# Altium PCB datalogger.PcbDoc
Units mil, origin at the board's own origin, x right, y up, seen from the top; angles counter-clockwise.
Board outline 2100 x 2000 mil, 2 copper layers (Top Layer, Bottom Layer), stack 65.792 mil thick; 39 components, 29 nets, 161 pads, 44 vias.
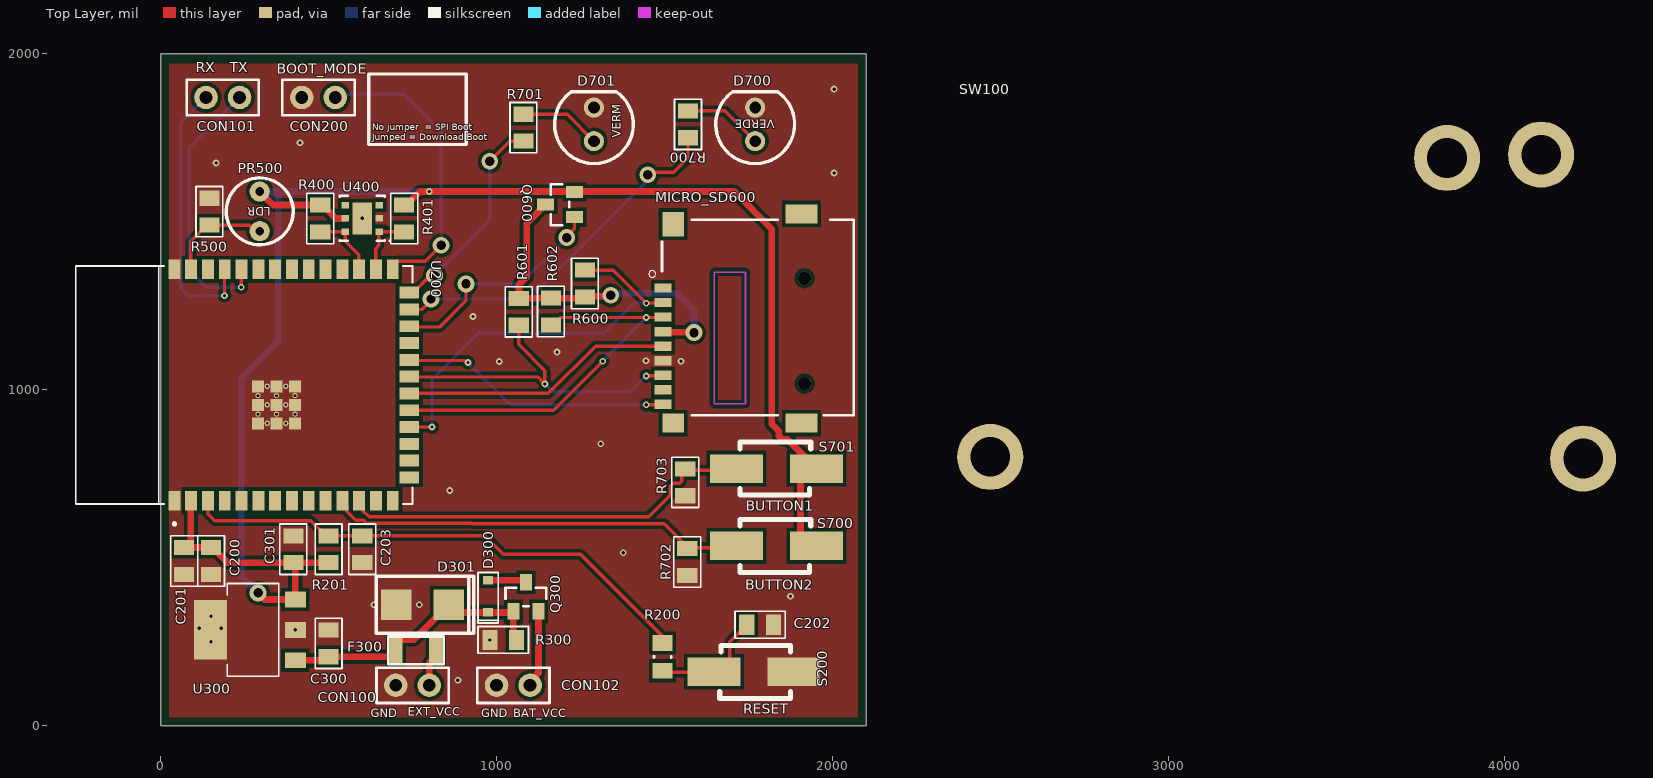
[diagram p0: Top Layer view]
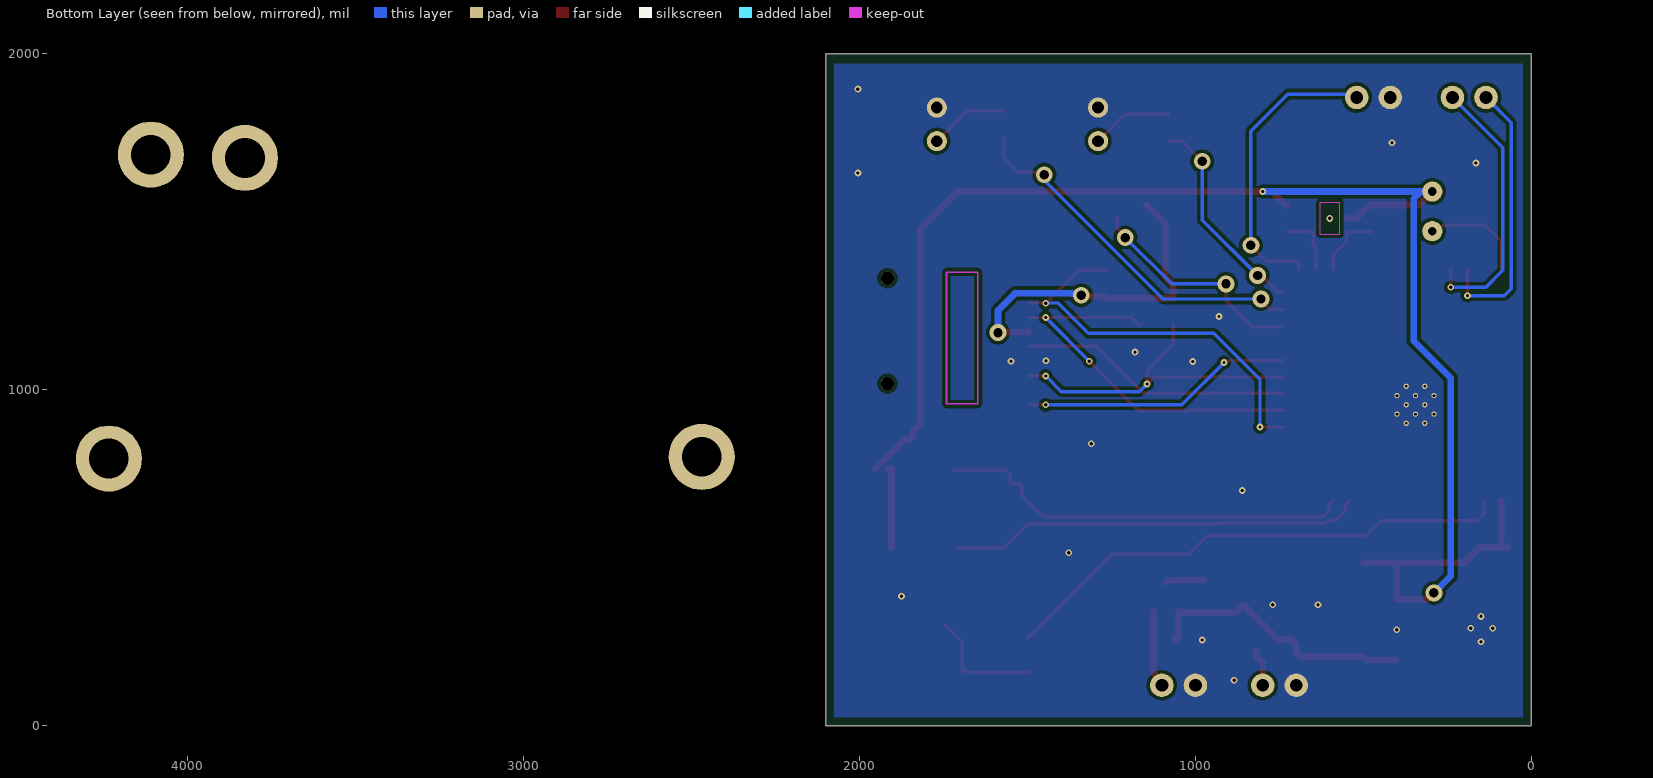
[diagram p1: Bottom Layer view, seen from below]
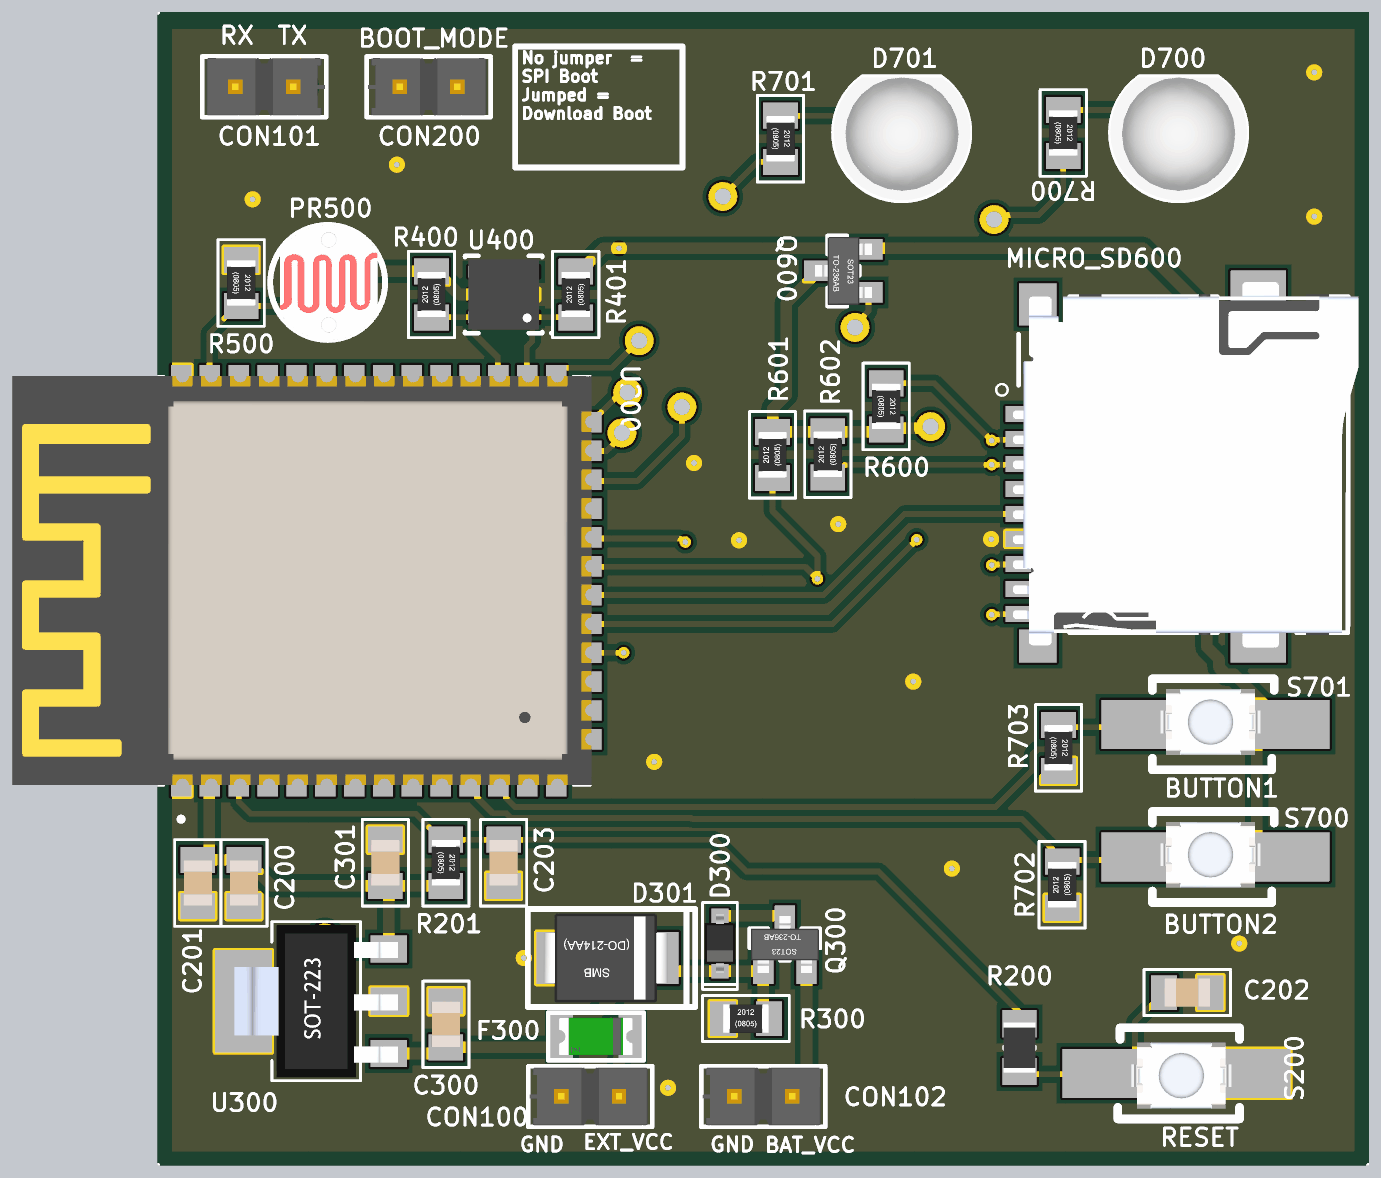
[diagram p2: 3D render of the assembled board from above, using the file's embedded part models]

## Layer stack, top to bottom
Top Solder: solder mask 0.4, Solder Resist, Dk 3.5
Top Layer: signal copper 1.4
Dielectric 1: dielectric 62.9921, FR-4, Dk 4.8
Bottom Layer: signal copper 1.4
Bottom Solder: solder mask 0.4, Solder Resist, Dk 3.5

## Board outline
0,0 0,2000 2100,2000 2100,0

## Design rules (kind name [scope] priority, off if disabled: settings)
Clearance array_celarence [InNetClass('SD_CLASS') OR InComponent('AR600')] p1: gap=1 ignorepadtopadclearanceinfootprint=TRUE except(5: Track-SMDPad; 10: Arc-Poly Track-Poly SMDPad-Poly THPad-Poly Via-Poly Fill-Poly Poly-Poly)
Clearance microsd_celarence [InComponent('SKT600')] p2: gap=5 ignorepadtopadclearanceinfootprint=TRUE except(0: SMDPad-Region; 10: Arc-Poly Track-Poly SMDPad-Poly THPad-Poly Via-Poly Fill-Poly Poly-Poly)
Clearance [All] p3: gap=10 ignorepadtopadclearanceinfootprint=TRUE except(9: Arc-Arc Arc-Track Track-Track)
ComponentClearance ComponentClearance_1 [HasFootprint('MOLX-5033981892_V') vs HasFootprint('SWITCH_TACTILE_SMD_2PIN')] p1: gap=1 collisioncheckmode=3 verticalgap=1 showdistances=TRUE checkcomponentboundary=TRUE
ComponentClearance [All] p2: gap=10 collisioncheckmode=3 verticalgap=10 showdistances=FALSE
HoleSize [All] p1: absolutevalues=TRUE maxlimit=200 minlimit=1 maxpercent=80.000 minpercent=20.000
MinimumSolderMaskSliver microsd_minimum_solder [InComponent('SKT600')] p1: minsoldermaskwidth=2
MinimumSolderMaskSliver esp_minimum_solder [InComponent('U200')] p2: minsoldermaskwidth=2
MinimumSolderMaskSliver [All] p3: minsoldermaskwidth=2
PlaneClearance [All] p1: clearance=30
PolygonConnect [All] p1: connectstyle=Direct reliefconductorwidth=10 reliefentries=4 polygonreliefangle="90 Angle" airgapwidth=10
RoutingVias [All] p1: holewidth=28 width=50 viastyle="Through Hole" minholewidth=28 minwidth=50 maxholewidth=28 maxwidth=50
ShortCircuit ShortCircuit_1 [InComponent('U400')] p1: allowed=TRUE
ShortCircuit [All] p2: allowed=FALSE
SilkToSilkClearance [All] p1: silktosilkclearance=1
SilkToSolderMaskClearance [IsPad] p1: minsilkscreentomaskgap=0 clearancetoexposedcopper=TRUE
SolderMaskExpansion [All] p1: expansion=4 istentingtop=FALSE
UnRoutedNet case_pilhas [InComponent('SW100')] p1:
UnRoutedNet [All] p2:
Width Width_PWR [InNetClass('PWR_CLASS')] p1: maxlimit=30 minlimit=10 preferedwidth=20 minimp=50.000000 maximp=50.000000 favimp=50.000000
Width [All] p2: maxlimit=20 minlimit=5 preferedwidth=10
22 further rules are at their usual default settings.

## Classes and differential pairs
component class Designator: D700 D701 R700 R701 R702 R703 S700 S701
component class temp_sensor: R400 R401 U400
component class micro_sd: MICRO_SD600 R600 R601 R602
component class ldr_sensor: PR500 R500
component class ESP32: C200 C201 C202 C203 C204 C205 CON200 R200 R201 S200 U200 X200
component class power_supply: C300 C301 D300 D301 F300 Q300 R300 U300
component class datalogger: CON100 CON101 CON102 SW100

## Components (designator, comment, footprint, x,y, rotation, side; value= is the part's Value field where it differs from the comment)
C200 "CAP CER 0.1uF 50V 10% X7R 0805 SMD" CC2012-0805 150,530 r270 top
C201 "Capacitor 22µF +/-40% 16V 0805" CC2012-0805 70,450 r90 top value=22µF
C202 "100nF 25V" CC2012-0805 1825,300 r180 top
C203 "100nF 25V" CC2012-0805 600,485 r90 top
C300 "4.7UF 16V" CC2012-0805 500,285 r270 top
C301 "4.7UF 16V" CC2012-0805 395,565 r270 top
CON100 "PIN HEADER 2POS" FP-TSW-102-07-G-S-MFG 750,120 r0 top
CON101 "PIN HEADER 2POS" FP-TSW-102-07-G-S-MFG 185,1870 r180 top
CON102 "PIN HEADER 2POS" FP-TSW-102-07-G-S-MFG 1050,120 r0 top
CON200 "PIN HEADER 2POS" FP-TSW-102-07-G-S-MFG 470,1870 r0 top
D300 "SCHOTTKY 20V 1A" SOD-323 975,385 r90 top
D301 "TVS 5VWM 9.2VC" DO-214AA(SMB) 780,360 r180 top
D700 "LED GRN DIFF 5MM ROUND T/H" LED-5mm-VERDE 1770,1740 r180 top
D701 "LED RED DIFF 5MM ROUND T/H" LED-5mm-VERMELHO 1290,1740 r180 top
F300 "16VDC 0.75A" FP-0ZCJ0035FF2G-MFG 759.94,224 r180 top
MICRO_SD600 "TF-01A" TF-01A 1778,1215 r90 top
PR500 "LDR GL5506(4-7K) SMD" "LDR 3X0.5" 295,1530.94 r180 top
Q300 "IC MOSFET P_CHANNEL 20V 6A" SOT-23 1087.6,383.31 r0 top
Q600 "IC MOSFET P_CHANNEL 20V 6A" SOT-23 1189,1551 r90 top
R200 "Resistor 0R +/- 1% 0805 125 mW" RESC2013X50X35ML15T15 1494.19,204.49 r90 top value=0
R201 "RES 10K OHM 1% 1/8W 0805 SMD" CR2012-0805 500,525 r270 top
R300 "10K 1/8W" CR2012-0805 1020,255 r0 top
R400 "RES 10K5 OHM 0.1% 1/8W 0805 SMD" CR2012-0805 475,1510 r90 top
R401 "RES 10K5 OHM 0.1% 1/8W 0805 SMD" CR2012-0805 725,1510 r90 top
R500 "RES 10K OHM 1% 1/8W 0805 SMD" CR2012-0805 145,1530 r270 top
R600 "10K" CR2012-0805 1263,1316 r270 top
R601 "10K" CR2012-0805 1066,1232 r90 top
R602 "10K" CR2012-0805 1162,1233 r90 top
R700 "RES 220R OHM 5% 1/8W 0805 SMD" CR2012-0805 1570,1790 r270 top
R701 "RES 220R OHM 5% 1/8W 0805 SMD" CR2012-0805 1080,1780 r270 top
R702 "RES 1K OHM 1% 1/8W 0805 SMD" CR2012-0805 1568,487 r90 top
R703 "RES 1K OHM 1% 1/8W 0805 SMD" CR2012-0805 1561.81,724.19 r270 top
S200 "SWITCH TACTILE SPST-NO 0.05A 12V SMD" SWITCH_TACTILE_SMD_2PIN 1885,160 r180 top
S700 "SWITCH" SWITCH_TACTILE_SMD_2PIN 1715,535 r0 top
S701 "SWITCH" SWITCH_TACTILE_SMD_2PIN 1715,765 r0 top
SW100 "4AA_Battery_Holder" 4AAA_BATTERY_HOLDER 3600,800 r90 top
U200 "IC ESP32 S3R2 WROOM-1 FLASH 8MB" ESP32_S3_WROOM_1 372.44,1010 r90 top
U300 "IC REG LDO 3V3 1A" SOT-223 275,285 r90 top
U400 "IC HDC1080" PSON100P300X80_HS-7N 600,1510 r180 top

## Footprints (in the part's own frame and the unit in brackets; to place one, negate y for a bottom-side part, rotate by r counter-clockwise, add the part's x,y. Pads: shape width x height; smd on the part's side, far side on the other; paste and mask are expansions set on the pad)
4AAA_BATTERY_HOLDER [mm]
  round 5 hole 3: 1(22.606,-5.842) 2(22.86,-12.954) ""(-0.127,-16.129) ""(0,28.702)
  body extent -28.7,-31.78 38.3,31.22, height 16
CC2012-0805 [mil] "Chip Capacitor"
  rect 45x60 smd: 1(0,0) 2(80,0)
  silkscreen extent -35,-40 115,40, body extent 1,-25 79,25, height 24
CR2012-0805 [mil] "Chip Capacitor"
  rect 45x60 smd: 1(-40,0) 2(40,0)
  silkscreen extent -75,-40 75,40, body extent -39,-25 39,25, height 18
DO-214AA(SMB) [mm]
  rect 2.3x2.3 smd: 1(-1.981,0) 2(1.981,0)
  silkscreen extent -3.86,-2.16 3.51,2.16, body extent -2.67,-1.95 2.83,1.95, height 2.45
ESP32_S3_WROOM_1 [mm] "Footprint for ESP32-S3-WROOM-1 module"
  rect 1.5x0.9 smd: 1(-8.65,8.42) 2(-8.65,7.15) 3(-8.65,5.88) 4(-8.65,4.61) 5(-8.65,3.34) 6(-8.65,2.07) 7(-8.65,0.8) 8(-8.65,-0.47) 9(-8.65,-1.74) 10(-8.65,-3.01) 11(-8.65,-4.28) 12(-8.65,-5.55) 13(-8.65,-6.82) 14(-8.65,-8.09) 27(8.85,-8.09) 28(8.85,-6.82) 29(8.85,-5.55) 30(8.85,-4.28) 31(8.85,-3.01) 32(8.85,-1.74) 33(8.85,-0.47) 34(8.85,0.8) 35(8.85,2.07) 36(8.85,3.34) 37(8.85,4.61) 38(8.85,5.88) 39(8.85,7.15) 40(8.85,8.42)
  rect 0.9x1.5 smd: 15(-6.885,-9.34) 16(-5.615,-9.34) 17(-4.345,-9.34) 18(-3.075,-9.34) 19(-1.805,-9.34) 20(-0.535,-9.34) 21(0.735,-9.34) 22(2.005,-9.34) 23(3.275,-9.34) 24(4.545,-9.34) 25(5.815,-9.34) 26(7.085,-9.34)
  rect 0.9x0.9 smd: 41[1...9](-2.8,-0.7) 41[1...9](-2.8,0.7) 41[1...9](-2.8,2.1) 41[1...9](-1.4,2.1) 41[1...9](-1.4,-0.7) 41[1...9](-1.4,0.7) 41[1...9](0,2.1) 41[1...9](0,0.7) 41[1...9](0,-0.7)
  round 0.4 hole 0.2 mask+0: 41[1...9](-2.8,0) 41[1...9](-2.8,1.4) 41[1...9](-2.1,-0.7) 41[1...9](-2.1,0.7) 41[1...9](-2.1,2.1) 41[1...9](-1.4,0) 41[1...9](-1.4,1.4) 41[1...9](-0.7,2.1) 41[1...9](-0.7,-0.7) 41[1...9](-0.7,0.7) 41[1...9](0,1.4) 41[1...9](0,0)
  silkscreen extent -10.5,-9.59 9.1,15.88, body extent -8.89,-9.65 9.11,15.85, height 3.1
FP-0ZCJ0035FF2G-MFG [mil]
  rect 39x74.5 smd paste+0 mask+0: 1(-59.06,0)
  rect 39x74 smd paste+0 mask+0: 2(59.06,0)
  silkscreen extent -83,-41 83,41, body extent -83,-41 83,41, height 10
FP-TSW-102-07-G-S-MFG [mil]
  round 70 hole 38 paste-39370.1 mask+0: 1(-50,0) 2(50,0)
  silkscreen extent -107,-53 107,53, body extent -111,-56 111,56, height 10
"LDR 3X0.5" [mil]
  round 60 hole 25.98: 1(0,-59.06) 2(0,59.06)
  silkscreen extent -100,-100 100,100, body extent -87,-100 83,100, height 358
LED-5mm-VERDE [mil]
  round 60 hole 35: A(0,0) K(0,-100)
  silkscreen extent -117,-147 117,67, body extent -118,-147 119,67, height 485
LED-5mm-VERMELHO [mil]
  round 60 hole 35: A(0,0) K(0,-100)
  silkscreen extent -117,-147 117,67, body extent -119,-147 118,67, height 485
PSON100P300X80_HS-7N [mm] "PSON, 6-Leads, Body 3,00x3,00mm, Pitch 1,00mm, Thermal Pad 2,40x1,50mm, IPC Medium Density"
  rect 0.55x0.5 smd: 1(-1.285,1) 2(-1.285,0) 3(-1.285,-1) 4(1.285,-1) 5(1.285,0) 6(1.285,1)
  rect 1.5x2.4 smd: 7(0,0)
  silkscreen extent -2.15,-1.7 1.7,1.75, body extent -1.55,-1.55 1.55,1.55, height 0.8
RESC2013X50X35ML15T15 [mm] "Chip Resistor, 2-Leads, Body 2.2x1.4mm, IPC Low Density"
  rect 1.2x1.5 smd: 1(-1.05,0) 2(1.05,0)
  silkscreen extent -0.05,-0.65 0.05,0.65, body extent -1.1,-0.7 1.1,0.7, height 0.5
SOD-323 [mil]
  rect 25x30 smd: A(48,0) K(-48,0)
  silkscreen extent -79,-30 71,30, body extent -51,-27 51,27, height 44
SOT-23 [mm]
  rect 0.9x1.26 smd: 1(-0.95,-1.1) 2(0.95,-1.1) 3(0,1.1)
  silkscreen extent -1.55,-0.7 1.54,0.7, body extent -1.5,-1.25 1.5,1.25, height 1.09
SOT-223 [mm]
  rect 1.2x1.6 smd: 1(-2.3,-3.2) 2(0,-3.2) 3(2.3,-3.2)
  rect 4.5x2.5 smd: 2(0,3.2)
  silkscreen extent -3.5,-1.95 3.5,1.95, body extent -3.35,-3.6 3.35,3.6, height 1.9
SWITCH_TACTILE_SMD_2PIN [mm]
  rect 4x2.16 smd: 1(0,0) 2(6.04,0)
  silkscreen extent 0.24,-2.01 5.6,2.01, body extent 0.6,-1.35 5,1.55, height 2.5
TF-01A [mm]
  rect 0.7x1.3 smd: 1(2.23,7.174) 2(1.13,7.174) 3(0.03,7.174) 4(-1.07,7.174) 5(-2.17,7.174) 6(-3.27,7.174) 7(-4.37,7.174) 8(-5.47,7.174) CD1(-6.57,7.174)
  rect 1.448x1.651 smd: MP1(-7.989,6.4)
  rect 1.448x2.438 smd: MP2(-7.989,-3.3) MP3(7.836,-3.3)
  rect 1.854x1.651 smd: MP4(7.061,6.4)
  round 1 hole 1 unplated: ""(-5.004,-3.531) ""(2.972,-3.531)
  Keep-Out Layer lines w0.127: -6.528,3.302 -6.528,0.94 3.429,0.94 3.429,3.302 -6.528,3.302
  silkscreen extent -7.4,-7.26 7.4,8.24, body extent -8.05,-7.71 8.05,7.49, height 2

## Part data
C200: library part CMP-004-000050-5, "CAP CER 0.1UF 50V 10% X7R 0805", Capacitance=100nF, Case Code (Imperial)=0805, Case Code (Metric)=2012, Dielectric=X7R, Dielectric Material=Ceramic, Insulation Resistance=100GR, Manufacturer="Kyocera AVX", Manufacturer Part Number=08055C104KAT2A, Max Operating Temperature=125°C, Min Operating Temperature=-55°C, Package Quantity=1, Tolerance=10%, Voltage=50V, Case/Package=0805, Category="Ceramic Capacitors", ComponentLink1Description=http://datasheets.avx.com/X7RDielectric.pdf, ComponentLink1URL=http://datasheets.avx.com/X7RDielectric.pdf, ComponentLink2Description=https://datasheet.ciiva.com/19475/2009691-19475858.pdf?src-supplier=Jameco, ComponentLink2URL=https://datasheet.ciiva.com/19475/2009691-19475858.pdf?src-supplier=Jameco, ComponentLink3Description=https://datasheet.ciiva.com/11786/0900766b802d4698-11786116.pdf?src-supplier=RSComponents, ComponentLink3URL=https://datasheet.ciiva.com/11786/0900766b802d4698-11786116.pdf?src-supplier=RSComponents, ComponentLink4Description=https://datasheet.ciiva.com/150/cx7r-150257.pdf?src-supplier=Digi-Key, ComponentLink4URL=https://datasheet.ciiva.com/150/cx7r-150257.pdf?src-supplier=Digi-Key, ComponentLink5Description=https://datasheet.ciiva.com/150/cx7r-150258.pdf?src-supplier=Digi-Key, ComponentLink5URL=https://datasheet.ciiva.com/150/cx7r-150258.pdf?src-supplier=Digi-Key, ComponentLink6Description=https://datasheet.ciiva.com/150/cx7r-150259.pdf?src-supplier=Digi-Key, ComponentLink6URL=https://datasheet.ciiva.com/150/cx7r-150259.pdf?src-supplier=Digi-Key, ComponentLink7Description=https://datasheet.ciiva.com/16199/cx7r-16199014.pdf?src-supplier=Future+Electronics, ComponentLink7URL=https://datasheet.ciiva.com/16199/cx7r-16199014.pdf?src-supplier=Future+Electronics, ComponentLink8Description=https://datasheet.ciiva.com/16536/cx7r-16536873.pdf?src-supplier=Avnet+Asia, ComponentLink8URL=https://datasheet.ciiva.com/16536/cx7r-16536873.pdf?src-supplier=Avnet+Asia, ComponentLink9Description=https://datasheet.ciiva.com/16536/cx7r-16536875.pdf?src-supplier=Avnet+Asia, ComponentLink9URL=https://datasheet.ciiva.com/16536/cx7r-16536875.pdf?src-supplier=Avnet+Asia, ComponentLink10Description=https://datasheet.ciiva.com/11504/cx7r-11504044.pdf?src-supplier=Avnet, ComponentLink10URL=https://datasheet.ciiva.com/11504/cx7r-11504044.pdf?src-supplier=Avnet, ComponentLink11Description=https://datasheet.ciiva.com/2988/cx7r-2988014.pdf?src-supplier=Avnet, ComponentLink11URL=https://datasheet.ciiva.com/2988/cx7r-2988014.pdf?src-supplier=Avnet, ComponentLink12Description=https://datasheet.ciiva.com/5416/cx7r-5416959.pdf?src-supplier=Mouser, ComponentLink12URL=https://datasheet.ciiva.com/5416/cx7r-5416959.pdf?src-supplier=Mouser, ComponentLink13Description=https://datasheet.ciiva.com/7812/cx7r-7812079.pdf?src-supplier=Element14, ComponentLink13URL=https://datasheet.ciiva.com/7812/cx7r-7812079.pdf?src-supplier=Element14, Depth=1.25mm, Design Item ID="CAP CER 0.1uF 50V 10% X7R 0805 SMD", Dissipation Factor=2.5%, Height=0.94mm, Lead Free="Lead Free", Length=2.01mm, Mount="Surface Mount,PCB", Number of Pins=2, Packaging="Tape and Reel", Pricing 1="1=0,12500, 25=0,10300, 50=0,07500, 100=0,04600, 250=0,04000, 500=0,03300, 1000=0,02100 (USD)", Pricing 2="4000=0,018800 (USD)", Radiation Hardening=No, REACH SVHC="No SVHC", RoHS=Yes, Source=mits.SchLib, Stock 1=745624, Stock 2=76000, Termination=SMD/SMT, Thickness=0.037inch, Voltage Rating=50V, Voltage Rating (DC)=50V, Width=0.049inch
C201: library part CMP-001-00081-6, "Chip Capacitor, 22µF +/-40%, 16V, 0805, Thickness 1.45 mm", Case/Package=0805, Max Operating Temperature=85°C, Min Operating Temperature=-55°C, Tolerance=5%, Voltage Rating=16V, Mounting Technology=SMT, Pins=2
C202 C203: library part "CAP CER 0.1uF 25V 0805 SMD", "Cap Ceramic 0.1uF 25V X7R 10% SMD 0805 125C Plastic T/R", Capacitance=100nF, Case Code (Imperial)=0805, Case Code (Metric)=2012, Dielectric=X7R, Dielectric Material=Ceramic, Manufacturer=KEMET, Manufacturer Part Number=C0805C104K3RACTU, Max Operating Temperature=125°C, Min Operating Temperature=-55°C, Package Quantity=4000, Supplier Part Number 1=6480979, Tolerance=10%, Voltage=25V, Case/Package=0805, Category="Ceramic Capacitors", ComponentLink1Description=https://datasheet.ciiva.com/18193/getdatasheetpartid-385649-18193413.pdf?src-supplier=Verical, ComponentLink1URL=https://datasheet.ciiva.com/18193/getdatasheetpartid-385649-18193413.pdf?src-supplier=Verical, ComponentLink2Description=https://datasheet.ciiva.com/7842/kem-c1002-x7r-smd-7842536.pdf?src-supplier=Element14, ComponentLink2URL=https://datasheet.ciiva.com/7842/kem-c1002-x7r-smd-7842536.pdf?src-supplier=Element14, ComponentLink3Description=https://datasheet.ciiva.com/7842/kem-c1002-x7r-smd-7842538.pdf?src-supplier=Element14, ComponentLink3URL=https://datasheet.ciiva.com/7842/kem-c1002-x7r-smd-7842538.pdf?src-supplier=Element14, Construction=Flat, Contact Plating=Tin,Matte, Depth=1.25mm, Height=0.9mm, Lead Pitch=0.75mm, Length=2mm, Mount="PCB,Surface Mount", Packaging="Tape and Reel", Pricing 1="10=0,13300, 100=0,12200, 250=0,11000, 500=0,09400, 1000=0,08300 (USD)", Radiation Hardening=No, RoHS=Yes, RoHS Compliant=Yes, Series=C0805C, Stock 1=1910, Supplier 1=RSComponents, Termination=SMD/SMT, Voltage Rating=25V, Voltage Rating (DC)=25V, Width=1.2mm
C300 C301: library part CMP-004-000075-2, "CAP CER 4.7UF 16V X7R 0805", Capacitance=4.7uF, Case Code (Imperial)=0805, Case Code (Metric)=2012, Dielectric=X7R, Manufacturer 1="FH(Guangdong Fenghua Advanced Tech)", Manufacturer Part Number 1=0805F475M160NT, Max Operating Temperature=125°C, Min Operating Temperature=-55°C, Package Quantity=1, Ratings=AEC-Q200, Resistor Type=Ceramic, Tolerance=10%, Voltage Rating=16V, Case/Package=0805, Depth=1.25mm, Design Item ID="CAP CER 4.7uF 16V 20% Y5V 0805 SMD", Height=1.25mm, Lead Free="Lead Free", Length=2mm, Mount="Surface Mount", Packaging="Tape and Reel", Radiation Hardening=No, REACH SVHC="No SVHC", RoHS Compliant=Yes, Series=CGA, Source=mits.SchLib, Supplier Unit Price 1=0,0214, Termination=SMD/SMT, Thickness=0.057inch, Voltage Rating (DC)=16V, Weight=0.000194oz, Width=0.049inch
CON100 CON101 CON102 CON200: library part CMP-002-00076-1, "Conn Unshrouded Header HDR 2 POS 2.54mm Solder ST Top Entry Thru-Hole Bulk", Color=Black, Manufacturer Part Number=TSW-102-07-G-S, Max Current Rating=7.6A, Max Operating Temperature=125°C, Max Voltage Rating (AC)=550V, Min Operating Temperature=-55°C, Package Quantity=1, Connector Type="Male Pin", Contact Material=Bronze, Contact Mating Length=0.23inch, Contact Plating=Gold, Contact Type="Male Pin", Depth=2.54mm, Gender=Male, Housing Color=Black, Housing Material=Polyester, Lead Free="Lead Free", Length=5.08mm, Mount="Through Hole", Number of Contacts=2, Number of Positions=2, Number of Rows=1, Orientation=Straight, Packaging=Bulk, Pitch=2.54mm, REACH SVHC="No SVHC", RoHS Compliant=Yes, Series=TSW, Termination=Solder
D300: library part CMP-008-000014-1, "DIODE SCHOTTKY 20V 1A SOD323", Capacitance @ Vr, F="29pF @ 5V, 1MHz", Current - Average Rectified (Io)="1A (DC)", Current - Reverse Leakage @ Vr="50µA @ 15V", Manufacturer="ON Semiconductor", Manufacturer Part Number=NSR0320MW2T1G, Operating Temperature - Junction="-55°C ~ 125°C", Package / Case="SC-76, SOD-323", Supplier Device Package=SOD-323, Voltage - DC Reverse (Vr) (Max)=20V, Voltage - Forward (Vf) (Max) @ If="500mV @ 900mA", Category="Discrete Semiconductor Products", ComponentLink1Description=http://www.onsemi.com/pub_link/Collateral/NSR0320MW2T1-D.PDF, ComponentLink1URL=http://www.onsemi.com/pub_link/Collateral/NSR0320MW2T1-D.PDF, Design Item ID="DIODE SCHOTTKY NSR0320MW2T1G 20V 1A SOD323 SMD", Diode Type=Schottky, Mounting Type="Surface Mount", Packaging="Cut Tape (CT)", Part Status=Active, Pricing 1="1=0.4, 10=0.298, 100=0.1689, 500=0.11188, 1000=0.08577 (USD)", Reverse Recovery Time (trr)=-, RoHS="RoHS Compliant", Source=mits.SchLib, Speed="Fast Recovery =< 500ns, > 200mA (Io)", Stock 1=617
D301: library part CMP-004-00039-1, "TVS DIODE 5VWM 9.2VC SMB", Breakdown Voltage=6.4V, Case/Package=DO-214AA, Clamping Voltage=9.2V, Current=68A, Leakage Current=800uA, Max Breakdown Voltage=7V, Max Operating Temperature=150°C, Max Power Dissipation=600W, Max Surge Current=65.3A, Min Operating Temperature=-65°C, Operating Supply Voltage=5V, Package Quantity=3000, Power Line Protection=No, Resistor Type=Zener, Test Current=10mA, Clamping Voltage-Max=9.2V, Diode Type=ZENER, Direction=Unidirectional, Element Configuration=Single, ESD Protection=Yes, Height=2.237mm, Lead Free="Lead Free", Length=4.57mm, Max Reverse Leakage Current=800uA, Min Breakdown Voltage=6.4V, Mount="Surface Mount", Number of Channels=1, Number of Elements=1, Number of Pins=2, Number of Unidirectional Channels=1, Packaging="Cut Tape", Peak Pulse Current=65.3A, Peak Pulse Power=600W, Polarity=Unidirectional, Power Dissipation=600W, Radiation Hardening=No, REACH SVHC=Unknown, Reverse Breakdown Voltage=6.4V, Reverse Standoff Voltage=5V, RoHS Compliant=Yes, Series=SMBJ, Termination=SMD/SMT, Voltage=5V, Voltage Rating (DC)=5V, Width=3.94mm
D700: library part CMP-008-000002-1, Color=Green, Current - Test=2mA, Manufacturer="Lite-On Inc.", Manufacturer Part Number=LTL2R3KGD-EM, Millicandela Rating=38mcd, Package / Case=Radial, Supplier Device Package="T-1 3/4", Voltage - Forward (Vf) (Typ)=1.8V, Category=Optoelectronics, ComponentLink1Description=http://media.digikey.com/pdf/Data%20Sheets/Lite-On%20PDFs/LTL2R3KGD-EM%20Preliminary.pdf, ComponentLink1URL=http://media.digikey.com/pdf/Data%20Sheets/Lite-On%20PDFs/LTL2R3KGD-EM%20Preliminary.pdf, Design Item ID="LED GRN DIFF 5MM ROUND T/H", Features=-, Height (Max)=8.70mm, Lens Color=Green, Lens Style/Size="Round with Domed Top, 5.00mm", Lens Transparency=Diffused, Mounting Type="Through Hole", Packaging=Bulk, Part Status=Active, Pricing 1="1=0.33, 10=0.24, 25=0.1772, 100=0.1265, 250=0.08604, 500=0.0759, 1000=0.05946, 2500=0.05819, 5000=0.0506 (USD)", RoHS="RoHS Compliant", Size / Dimension=-, Source=mits.SchLib, Stock 1=9370, Viewing Angle=30°, Wavelength - Dominant=570nm, Wavelength - Peak=568nm